# Altium PCB ROBOT_PCB_3.PcbDoc (part 2 of 3)
Units mm, origin at the board's own origin, x right, y up, seen from the top; angles counter-clockwise.
Board outline 200 x 120 mm, 4 copper layers (Top Layer, POWER, GND, Bottom Layer), stack 2.008 mm thick; 282 components, 218 nets, 958 pads, 289 vias.
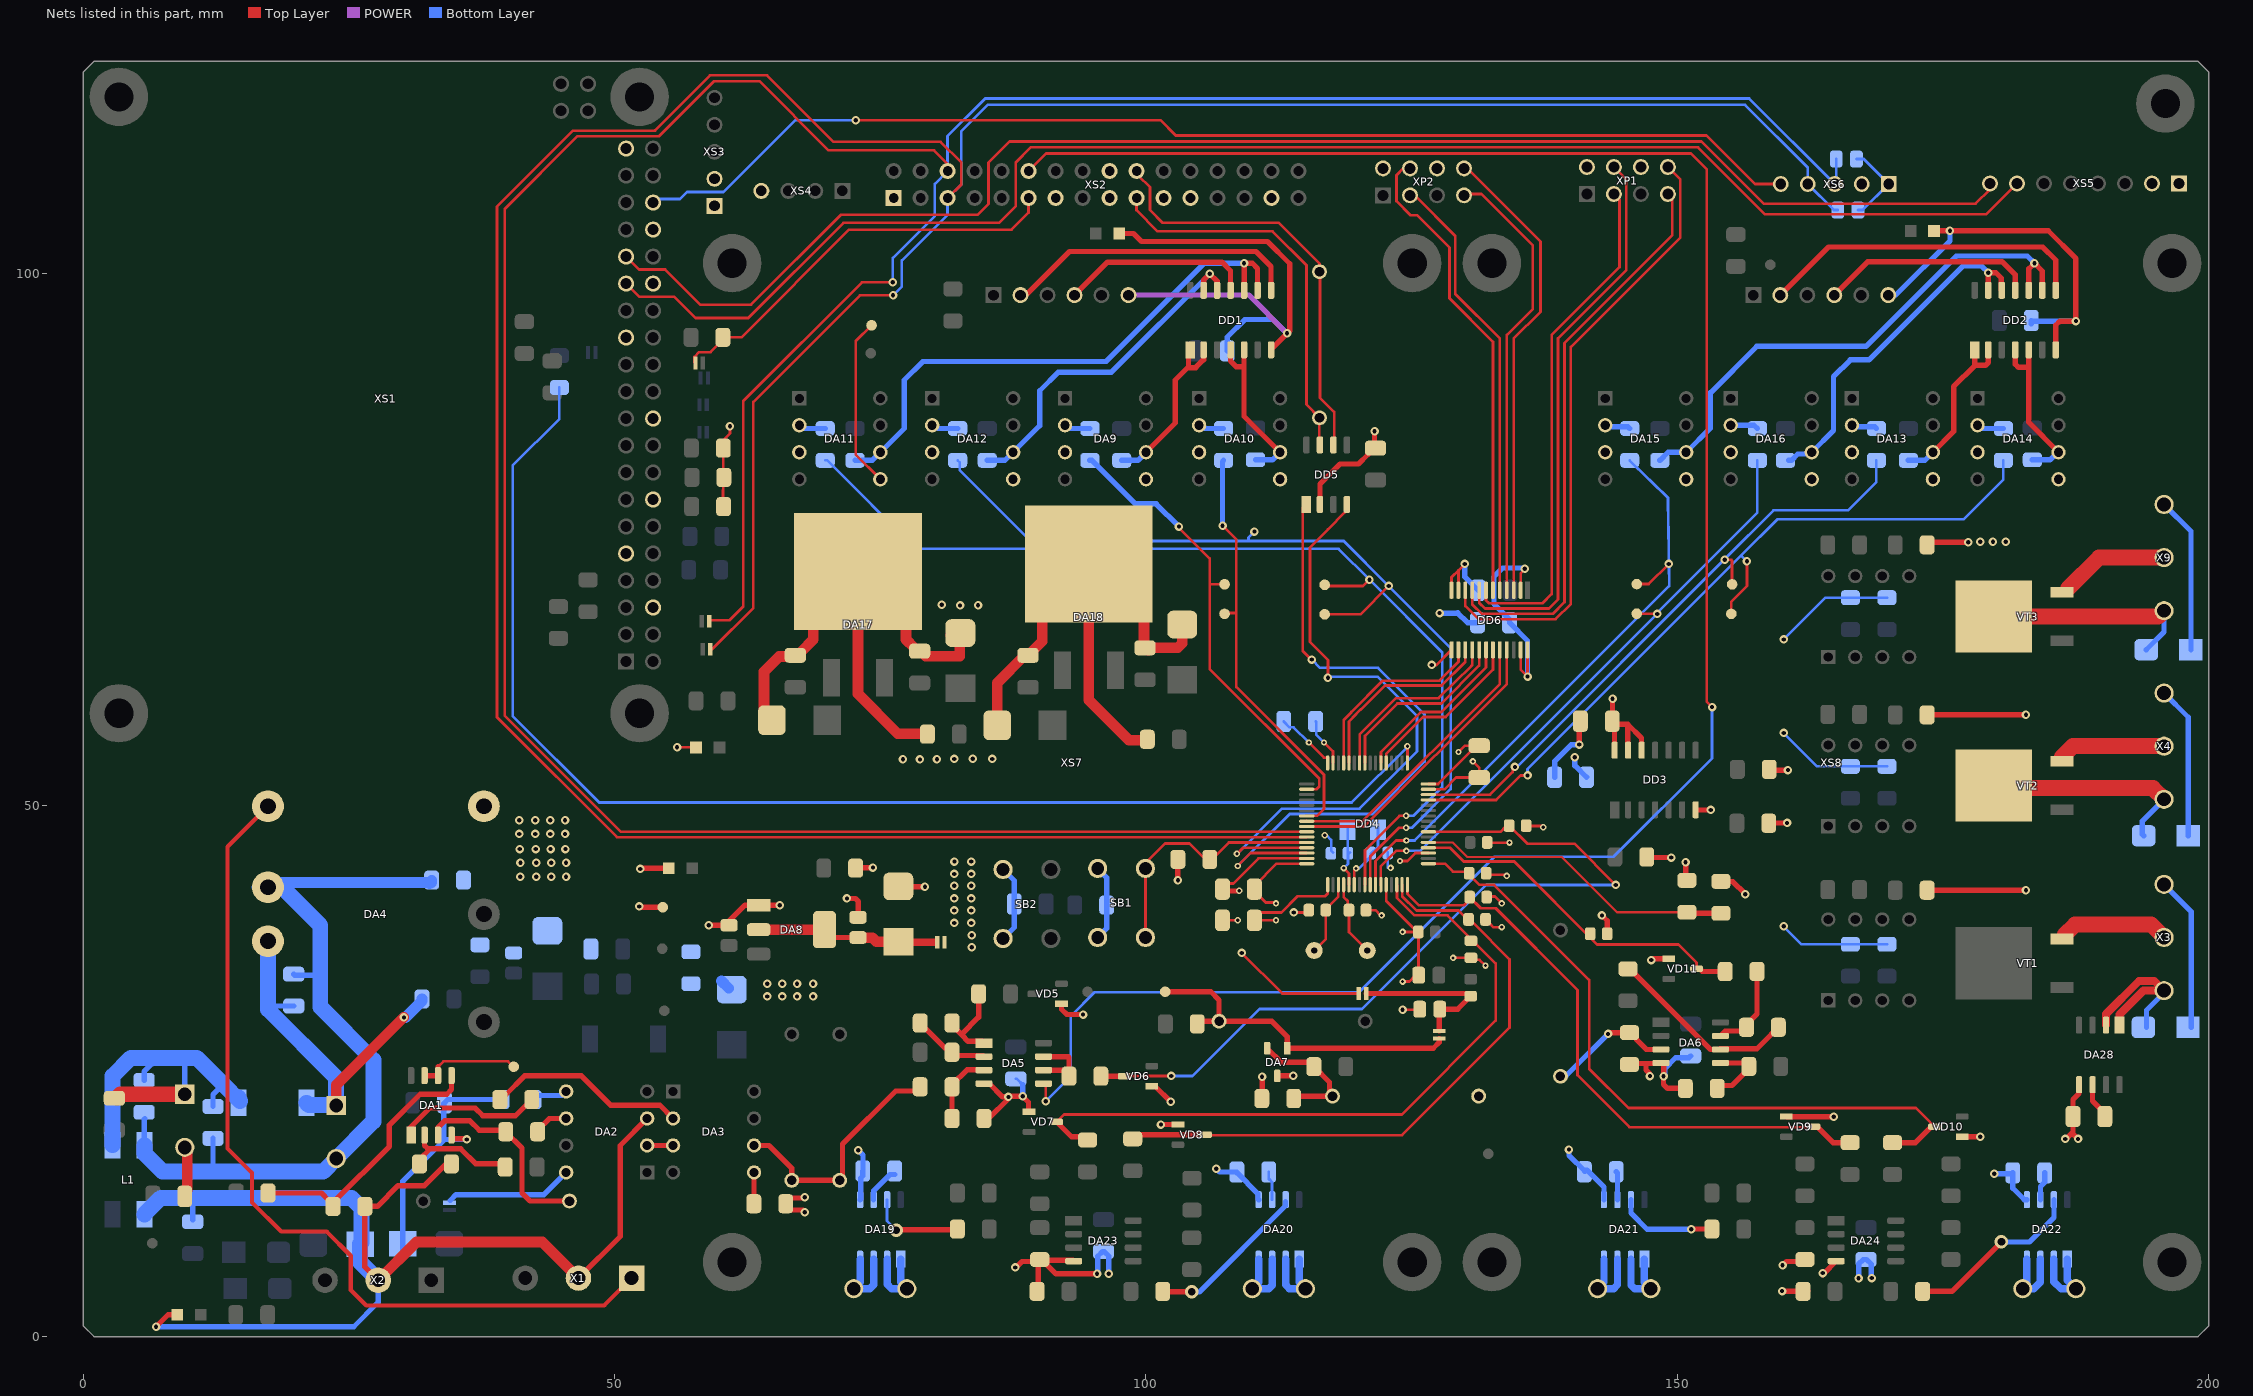
[diagram p4: the nets of this part, all layers, seen from the top]

## Via types
v1: diameter 0.8, hole 0.4, Top Layer to Bottom Layer, tented both sides, 238 vias
v2: diameter 0.6, hole 0.3, Top Layer to Bottom Layer, tented both sides, 47 vias
v3: diameter 1.27, hole 0.711, Top Layer to Bottom Layer, tented both sides, 3 vias
v4: diameter 5.5, hole 2.7, Top Layer to Bottom Layer, 1 vias

## Nets (pads, with @x,y where several pads share a name; then routed paths per layer and width w, separated by ;. In a path a pad name is that pad's centre, name@x,y a point inside that pad or via, vN(x,y) a via of type N, cw(c..) or ccw(c..) an arc to the next point about the centre after c; other vN are vias at no path point)
0V: 0V.1 +5B_EXT_1.c +5B_EXT_2.c C1.2 C6.2 C22.n C23.n C24.2 C25.2 C30.1 C31.1 C32.n C33.n C35.1 C36.1 DA1.4 DA2.3 DA9.5 DA10.5 DA11.5 DA12.5 DA13.5 DA14.5 DA15.5 DA16.5 DA17.2 DA18.2 DD1.7 DD2.7 L1.1 R3.1 R4.2 R11.2 R57.1 R59.1 R100.1 R102.1 R104.1 VBAT.c VD1.2 VD4.2 X1.2 X2.2 XS7.6 XS8.6 | length 381.2
  Top Layer w0.254: 0V.1@74.175,95.15 72.679,93.654 72.679,82.991 DA11.5@75,80.67
  Top Layer w0.5: v1(6.85,0.925) 7.975,2.05 VBAT.c@8.85,2.05 ; X2.2@27.75,5.3 26.5,6.55 R11.2@26.5,12.25 27.675,12.25 29.625,14.2 32.1,14.2 34.15,16.25 R4.2@34.635,16.25 ; DA1.4@34.655,18.95 34.655,18.657 34.705,18.607 36.034,18.607 v1(36.091,18.55) ; X1.2@46.595,5.5 50.525,9.43 50.525,17.985 DA2.3@53.06,20.52 ; +5B_EXT_1.c@97.47,103.8 98.825,103.8 99.575,103.05 111.425,103.05 113.525,100.95 113.525,94.65 v1(113.275,94.4) 113.275,94.375 111.77,92.87 DD1.7@111.77,92.85 ; R100.1@173.5,42 v1(182.8,42) ; R102.1@173.5,58.5 v1(182.8,58.5) ; R104.1@173.5,74.5 173.75,74.75 v1(177.371,74.75) ; +5B_EXT_2.c@174.05,104.05 v1(175.65,104.05) 184.9,104.05 187.5,101.45 v1(187.5,95.55) 186,95.55 185.61,95.16 DD2.7@185.61,92.85
  Top Layer w1: X2.2@27.75,5.3 31.35,8.9 43.195,8.9 X1.2@46.595,5.5 ; C22.n@64.8,58 64.05,58.75 64.05,62.55 65.4,63.9 65.492,63.992 66.892,63.992 C24.2@67,64.1 67.3,64.1 67.5,64.3 67.5,64.4 68.686,65.586 68.686,68.286 72.4,72 DA17.2@72.9,72 ; DA17.2@73.9,71 DA17.2@72.9,72 ; DA17.2@74.15,71.25 77.414,67.986 77.414,65.586 78.2,64.8 78.2,64.7 78.4,64.5 C30.1@78.7,64.5 ; C30.1@78.741,64.541 79.281,64 82.485,64 82.485,65.164 C32.n@81.647,66.002 ; R57.1@79.45,57.025 79.15,56.725 76.65,56.725 72.9,60.475 DA17.2@72.9,72 ; C23.n@86,57.511 86,61.5 88.6,64.1 C25.2@88.9,64.1 88.925,64.1 90.25,65.425 90.25,67.855 94.125,71.73 DA18.2@94.625,71.73 ; R59.1@100.125,56.125 98.4,56.125 94.625,59.9 DA18.2@94.625,71.73 ; C33.n@103,66.6 C33.n@103.4,67 103.4,65.225 102.975,64.8 100.414,64.8 100.214,64.6 99.814,65 99.814,67.7 95.784,71.73 DA18.2@95,71.73 ; DA18.2@94.625,71.73 DA18.2@95,71.73 ; DA18.2@94.625,71.73 DA18.2@94.625,72.7 95,72.325 DA18.2@95,71.73
  POWER w0.5: XS7.6@98.35,98 109.675,98 v1(113.275,94.4)
  Bottom Layer w0.254: XS8.6@169.85,98 XS8.6@170.55,98
  Bottom Layer w0.5: v1(6.85,0.925) 25.45,0.925 27.75,3.225 X2.2@27.75,5.3 30.05,7.6 VD4.2@30.05,8.75 30.05,14.6 33.925,18.475 ; C1.2@10.3,11 10.3,13.05 ; v1(36.091,18.55) 34,18.55 33.925,18.475 ; R3.1@39.425,22.3 34.3,22.3 C6.2@34,22 33.925,21.925 33.925,18.475 ; C35.1@107.65,92.75 107.65,94.05 109.3,95.7 111.975,95.7 v1(113.275,94.4) ; XS8.6@170.55,98 175.65,103.1 v1(175.65,104.05) ; C36.1@183.3,95.3 C36.1@183.3,95.6 183.35,95.55 v1(187.5,95.55)
  Bottom Layer w1.5: L1.1@5.75,11.5 7.3,13.05 10.3,13.05 25.225,13.05 26.2,12.075 26.2,8.85 VD1.2@26.05,8.7 26.05,7 X2.2@27.75,5.3
  other v1: 78.725,54.3 77.125,54.325 80.325,54.325 81.955,54.355 85.525,54.355 83.7,54.375 82.5,68.8 84.2,68.825 80.778,68.85 178.5,74.8 179.693,74.8 180.9,74.8
0V_LOAD1: VT1.3 X3.2 | length 10.2
  Top Layer w1.5: VT1.3@186.462,37.812 187.425,38.775 194.575,38.775 X3.2@195.8,37.55
0V_LOAD2: VT2.3 X4.2 | length 10
  Top Layer w1.5: VT2.3@186.19,54.515 187.225,55.55 X4.2@195.8,55.55
0V_LOAD3: VT3.3 X9.2 | length 10.3
  Top Layer w1.5: VT3.3@186.738,70.363 189.675,73.3 X9.2@195.8,73.3
1V_REF: DA6.3 R52.1 R53.2 | length 11.9
  Top Layer w0.5: v1(143.475,28.475) 143.6,28.6 R53.2@145.5,28.6 145.619,28.6 146.107,28.111 146.107,27.993 147.085,27.015 DA6.3@148.45,27.015
  Bottom Layer w0.5: R52.1@139,24.49 139.49,24.49 v1(143.475,28.475)
3V3: +3.3V.1 C42.2 C43.2 C48.2 C49.2 C52.2 C57.1 C62.2 DD3.12 DD3.13 DD3.14 DD4.1 DD4.19 DD4.32 DD4.48 DD4.64 DD6.2 DD6.23 DD6.24 E10.2 R31.1 R51.2 R54.1 R87.2 R88.2 R89.2 R90.2 R91.2 R92.2 R106.1 R107.1 SB1.2 XS2.17 XS2.23 XS2.29 XS3.1 XS5.1 XS6.1 | length 137.2
  Top Layer w0.254: v1(109,36.1) 112.825,32.275 E10.2@120.025,32.275 ; v2(112.23,39.171) C48.2@110.2,39.171 110.2,39.35 110.756,39.906 112.745,39.906 114.272,41.433 116.854,41.433 117.1,41.679 DD4.1@117.1,42.52 ; v2(112.23,40.756) 112.135,40.851 111.27,40.851 110.2,41.921 C52.2@110.2,42.1 110.2,42.4 112.295,44.495 DD4.64@115.1,44.495 ; v2(115.325,55.9) 116.75,54.475 117.087,54.475 117.1,54.462 DD4.48@117.1,53.995 ; v2(123.9,44.75) 124.604,44.75 125.349,45.495 DD4.19@126.575,45.495 DD4.19@126.6,45.495 ; DD4.32@126.6,51.995 127.495,51.995 C57.1@131.1,55.6 ; v2(129.4,55) 129.417,55 130.017,55.6 C57.1@131.1,55.6 ; C57.1@131.35,55.6 C57.1@131.1,55.6 ; DD6.23@135.25,64.625 135.25,62.75 v1(135.9,62.1) DD6.24@135.9,64.625 ; DD6.2@135.25,70.225 135.25,71.8 135.632,72.182 v1(135.632,72.254) ; C42.2@143.85,57.025 C42.2@143.85,57.425
  Top Layer w0.5: R31.1@72.675,44.075 72.725,44.125 v1(74.3,44.125) ; v1(143.9,60.025) 143.9,58.125 144.41,57.615 145.335,57.615 ; DD3.14@144.09,55.17 C42.2@144.09,57.685 ; DD3.13@145.335,55.55 145.335,57.615 ; DD3.12@146.63,55.17 146.63,56.32 145.335,57.615 ; R51.2@154.1,42.827 155.198,42.827 v1(156.4,41.625)
  Bottom Layer w0.254: C43.2@112.964,57.874 113.508,57.329 113.896,57.329 v2(115.325,55.9) ; v1(160,38.6) 161.69,36.91 R90.2@166.28,36.91 R88.2@169.72,36.91 ; v1(160,56.8) 163.15,53.65 R91.2@166.28,53.65 R89.2@169.72,53.65 ; v1(160,65.6) 163.93,69.53 R92.2@166.28,69.53 R87.2@169.72,69.53 ; R106.1@166.85,110.8 167.54,110.8 XS6.1@169.89,108.45 167.44,106 R107.1@167,106
  Bottom Layer w0.5: SB1.2@95.45,37.55 96.3,38.4 R54.1@96.3,40.6 96.3,43.2 SB1.2@95.45,44.05 ; v1(135.632,72.254) 135.574,72.311 134.493,72.311 134.479,72.325 133.55,72.325 132.75,71.525 132.75,68.925 134.2,67.475 C62.2@134.2,67.175 135.9,65.475 v1(135.9,62.1) ; v1(140.35,54.5) 140.35,53.725 C49.2@141.45,52.625 C49.2@141.475,52.65
  other v1: 83.6,36.625 83.6,37.75 81.95,38.925 83.55,38.925 81.95,40.1 83.55,40.1 81.95,41.225 83.55,41.225 81.95,42.425 83.55,42.425 81.95,43.525 83.55,43.525 81.975,44.7 83.55,44.7
+V_DIODE1: VD14.C X3.3 | length 14.5
  Bottom Layer w0.5: X3.3@195.8,42.55 198.35,40 VD14.C@198.35,29.075
+V_DIODE2: VD12.C X4.3 | length 14.4
  Bottom Layer w0.5: X4.3@195.8,60.55 198.075,58.275 VD12.C@198.075,47.125
+V_DIODE3: VD13.C X9.3 | length 14.7
  Bottom Layer w0.5: X9.3@195.8,78.3 198.325,75.775 VD13.C@198.325,64.625
ADC_EXT_SIGNAL: C41.1 DD4.23 R56.2 VD6.3 | length 75.7
  Top Layer w0.254: VD6.3@97.95,24.5 97.975,24.525 v1(102.375,24.525) ; DD4.23@126.6,47.495 133.37,47.495 C41.1@133.85,47.975 ; C41.1@134.175,48.075 135.875,46.375 140.319,46.375 v1(144.199,42.495)
  Top Layer w0.5: R56.2@95.75,24.5 VD6.3@97.95,24.5
  Bottom Layer w0.254: v1(102.375,24.525) 104.375,24.525 110.675,30.825 120.323,30.825 131.993,42.495 v1(144.199,42.495)
ADC_TEST: DD4.21 R50.1 R51.1 | length 30.3
  Top Layer w0.2: DD4.21@126.6,46.495 128.873,46.495 130.241,45.127 139.123,45.127 144.323,39.927 R50.1@150.9,39.927
  Top Layer w0.5: R50.1@150.9,39.927 151,39.827 R51.1@154.1,39.827
AGND: C16.1 C17.n C18.1 C20.2 C21.2 C27.2 C29.2 C37.1 C38.1 C39.1 C40.1 C41.2 C44.1 C45.1 C53.2 C54.2 C55.2 C56.2 C58.2 C61.1 DA5.4 DA6.4 DA7.3 DA19.5 DA20.5 DA21.5 DA22.5 DA23.4 DA24.4 DA28.5 DD4.12 R15.2 R20.1 R21.2 R25.1 R27.1 R53.1 R67.2 R69.2 R70.2 R71.2 R94.2 VD5.1 VD6.1 VD7.1 VD8.1 VD9.1 VD10.1 VD11.1 | length 136.4
  Top Layer w0.254: DD4.12@122.6,42.495 122.6,41.007 C29.2@125.469,38.138 ; v1(124.145,30.75) 125.7,30.75 C21.2@125.75,30.8 ; v2(124.145,38.075) C29.2@125.625,38.075 125.64,38.06 125.64,34.015 C27.2@125.655,34 125.375,34 124.775,33.4 v2(124.15,33.4) ; v2(128.9,35.633) C53.2@130.575,35.633 130.756,35.452 131.398,35.452 v2(131.95,34.9) ; C54.2@131.95,39.25 131.95,39.217 132.314,38.853 132.347,38.853 132.673,38.527 v2(133.481,38.527) ; C56.2@132,43.6 132.149,43.451 133.838,43.451 v2(133.942,43.346) ; C55.2@132.05,41.35 132.102,41.402 132.835,41.402 v2(133.481,40.756) ; C20.2@132.1,46.495 132.12,46.475 v2(134.2,46.475) ; C41.2@135.478,47.778 C41.2@135.775,48.075 135.815,48.035 137.265,48.035 v2(137.375,47.925)
  Top Layer w0.5: v1(67.9,11.705) 67.693,11.912 66.542,11.912 66.1,12.354 R15.2@66.1,12.5 66.1,12.6 66.542,13.043 67.843,13.043 v1(67.9,13.1) ; R20.1@84.75,20.72 R20.1@84.75,20.52 85.195,20.52 87.05,22.375 v1(87.05,22.55) ; DA5.4@84.75,23.8 85.25,23.8 86.5,22.55 v1(87.05,22.55) ; v1(87.7,6.5) 87.781,6.5 88.35,7.069 89.819,7.069 R69.2@89.875,7.125 ; VD7.1@89,21.15 88.95,21.2 88.95,22.05 v1(88.4,22.6) 87.1,22.6 v1(87.05,22.55) ; R70.2@89.75,4.25 89.875,4.375 R69.2@89.875,7.125 ; VD5.1@92.05,31.3 92.05,30.8 92.55,30.3 v1(94.075,30.3) ; DA23.4@93.2,7.095 93.123,7.172 R69.2@90.278,7.172 ; v1(95.4,5.9) 91.55,5.9 R69.2@90.278,7.172 ; VD6.1@100.55,23.55 100.85,23.55 102.3,22.1 v1(102.322,22.1) ; v1(101.4,19.95) VD8.1@103,19.95 ; R27.1@110.9,22.4 110.925,22.425 v1(110.925,24.45) ; DA7.3@112.35,24.531 v1(113.85,24.531) ; v1(142.9,39.629) 143.4,39.129 C58.2@143.4,37.9 ; R53.1@145.5,25.6 145.595,25.695 147.05,25.695 ; v1(147.425,24.508) 147.425,24.706 147.05,25.081 147.05,25.695 ; v1(147.55,35.425) 147.675,35.55 VD11.1@149.2,35.55 ; R94.2@150.75,23.35 149.068,23.35 148.7,23.718 v1(148.7,24.49) 148.718,24.508 148.718,25.695 147.05,25.695 ; v1(159.85,4.275) 161.785,4.275 R67.2@161.83,4.32 ; v1(159.9,6.7) 160.269,7.069 161.819,7.069 R71.2@162,7.25 R71.2@162.2,7.25 ; VD9.1@160.25,20.7 160.275,20.675 v1(164.725,20.675) ; R67.2@161.83,4.25 R67.2@161.83,4.32 ; R67.2@162.27,4.32 R67.2@161.83,4.32 ; v1@163.68,5.825 v1(163.68,5.975) 163.83,5.975 DA24.4@164.95,7.095 DA24.4@164.955,7.1 ; VD10.1@176.8,18.8 v1(178.5,18.8) ; v1(186.5,18.6) 186.581,18.6 187.056,19.075 187.225,19.075 ; v1(187.7,18.6) 187.225,19.075 ; DA28.5@187.795,23.9 DA28.5@187.795,23.7 187.795,22.87 187.225,22.3 187.225,21.462 187.606,21.081 187.225,21.081 C61.1@187.225,20.7 187.225,19.075 ; R69.2@89.875,7.125 R69.2@90,7.25 90.2,7.25 R69.2@90.278,7.172
  Bottom Layer w0.254: C18.1@87.75,24.25 87.844,24.25 C18.1@88.4,23.694
  Bottom Layer w0.5: v1(72.925,17.525) 73.375,17.075 73.375,15.6 C37.1@73.35,15.575 73.35,15.1 73.145,14.895 73.145,12.925 DA19.5@73.095,12.875 ; v1(88.4,22.6) C18.1@88.4,23.694 ; v1(95.4,5.9) 95.457,5.957 95.457,7.558 95.9,8 C44.1@96,8 96.058,8 96.5,7.558 v1(96.5,5.9) ; v1(106.6,15.8) 106.925,15.475 C38.1@108.55,15.475 108.55,15.42 110.545,13.425 110.545,12.925 DA20.5@110.595,12.875 ; v1(139.8,17.6) 139.8,17.05 141.3,15.55 141.425,15.675 C39.1@141.175,15.675 ; C39.1@141.5,15.675 143.095,14.08 DA21.5@143.095,12.875 ; v1(148.7,24.49) 148.832,24.622 148.832,25.232 149.847,26.247 151.097,26.247 C16.1@151.25,26.4 ; v1@167.057,5.475 167.057,6.557 167.062,6.562 167.062,6.808 167.504,7.25 C45.1@167.75,7.25 167.8,7.25 168.243,6.808 168.243,5.557 v1(168.3,5.5) ; v1(179.825,15.325) 181.484,15.325 C40.1@181.56,15.401 181.56,13.965 182.65,12.875 DA22.5@182.895,12.875
  Bottom Layer w1: C17.n@60.061,33.457 C17.n@60.75,32.768
  other v1: 167.05,5.475 64.368,32.003 65.768,32.003 67.168,32.003 68.668,32.003 64.368,33.203 65.768,33.203 67.168,33.203 68.668,33.203
BOOT: DD4.60 R55.2 SB1.1 | length 23.6
  Top Layer w0.254: SB1.1@99.95,37.55 SB1.1@99.95,44.05 99.95,44.55 101.8,46.4 104.1,46.4 105.6,44.9 R55.2@106,44.9 ; R55.2@106.475,45.175 107.795,46.495 DD4.60@115.1,46.495
CAN_H: DD5.7 R105.2 XS2.19 | length 36.6
  Top Layer w0.254: XS2.19@99.11,107.135 99.11,105.99 101.1,104 111.9,104 115.095,100.805 115.095,87.705 116.3,86.5 DD5.7@116.3,84
CAN_L: DD5.6 R105.1 XS2.20 | length 39.8
  Top Layer w0.254: XS2.20@99.11,109.675 99.301,109.484 99.301,109.224 100.375,108.15 100.375,106 101.575,104.8 112.5,104.8 116.325,100.975 R105.1@116.325,100.2 116.365,100.16 116.365,88.335 117.7,87 DD5.6@117.7,84
CAN_RX: DD4.61 DD5.4 | length 59.4
  Top Layer w0.254: v2(108.55,45.425) 109.12,45.995 DD4.61@115.1,45.995 ; v1(117.125,62.001) 117.125,63.65 115.425,65.35 115.425,74.253 117.125,75.953 118.746,77.574 118.746,78.141 DD5.4@118.905,78.3
  Bottom Layer w0.254: v2(108.55,45.425) 112.8,49.675 120.103,49.675 125.5,55.072 125.5,58.375 121.78,62.095 117.219,62.095 v1(117.125,62.001)
CAN_TX: DD4.62 DD5.1 | length 61
  Top Layer w0.254: v2(108.625,44.275) 109.845,45.495 DD4.62@115.1,45.495 ; DD5.1@115.095,78.3 114.75,77.955 114.75,64.5 115.55,63.7 v1(115.6,63.7)
  Bottom Layer w0.254: v2(108.625,44.275) 113.525,49.175 121.298,49.175 126.225,54.102 126.225,58.529 121.827,62.927 116.373,62.927 v1(115.6,63.7)
CS1: DD4.33 R8.1 | length 124.1
  Top Layer w0.254: DD4.33@124.6,53.995 v2(124.6,55.55)
  Bottom Layer w0.254: R8.1@44.8,89.3 44.8,86.35 40.4,81.95 40.4,58.4 48.554,50.246 119.353,50.246 124.6,55.493 v2(124.6,55.55)
CS2: E8.2 R9.1 XS2.11 | length 39.1
  Top Layer w0.254: E8.2@57.6,91.6 57.5,91.7 57.5,92.175 57.955,92.63 59.03,92.63 60.425,94.025 61.925,94.025 72.052,104.152 87.352,104.152 88.95,105.75 XS2.11@88.95,107.135
CTRL: DA4.1 X1.1 | length 82.5
  Top Layer w0.4: DA4.1@17.38,49.9 13.575,46.095 13.575,17.705 15.875,15.405 15.875,12.625 18.625,9.875 22.9,9.875 25.175,7.6 25.175,4.375 26.633,2.917 49.012,2.917 X1.1@51.595,5.5
CURRENT_M1: C53.1 DD4.14 R76.2 VD7.3 | length 67.4
  Top Layer w0.254: VD7.3@91.6,20.2 92.3,20.9 124.075,20.9 132.9,29.725 132.9,35.1 130.767,37.233 128.371,39.629 125.262,39.629 123.613,41.278 123.613,42.482 DD4.14@123.6,42.495
  Top Layer w0.5: VD7.3@91.6,20.2 93,18.8 R76.2@94.325,18.8 ; R76.2@94.5,18.625 R76.2@94.325,18.8 ; R76.2@94.5,18.8 R76.2@94.325,18.8
CURRENT_M2: C54.1 DD4.15 R77.2 VD8.3 | length 60.3
  Top Layer w0.254: VD8.3@105.625,18.8 105.775,18.95 124.088,18.95 134.2,29.062 134.2,35.5 130.75,38.95 C54.1@130.475,38.95 ; DD4.15@124.1,42.495 124.1,41.433 125.45,40.083 129.417,40.083 130.45,39.05 C54.1@130.45,38.775
  Top Layer w0.5: R77.2@98.75,18.6 98.75,19 VD8.3@105.6,19
CURRENT_M3: C55.1 DD4.16 R78.2 VD9.3 | length 57.7
  Top Layer w0.254: DD4.16@124.6,42.495 124.6,41.66 125.685,40.575 129.9,40.575 130.45,41.125 C55.1@130.45,41.35 131.5,40.3 132.909,40.3 140.6,32.609 140.6,24.6 145.5,19.7 VD9.3@162.85,19.7
  Top Layer w0.5: VD9.3@162.85,19.75 163.15,19.75 164.65,18.25 R78.2@166.25,18.25
CURRENT_M4: C56.1 DD4.17 R79.2 VD10.3 | length 67.5
  Top Layer w0.254: DD4.17@126.6,44.495 128.141,44.495 128.886,43.75 130.45,43.75 130.45,43.45 131.4,42.5 132.765,42.5 141.7,33.565 141.7,25.2 145.4,21.5 172.45,21.5 VD10.3@174.2,19.75
  Top Layer w0.5: R79.2@170.25,18.25 172.4,18.25 173.9,19.75 VD10.3@174.2,19.75
CURRENT_MOWER: C58.1 DD4.20 R86.2 VD11.3 | length 33.1
  Top Layer w0.254: DD4.20@126.6,45.995 128.605,45.995 129.9,44.7 134.65,44.7 142.45,36.9 150.1,36.9 151.8,35.2 VD11.3@151.8,34.6
  Top Layer w0.5: VD11.3@151.8,34.6 152.1,34.6 152.35,34.35 R86.2@154.5,34.35
DIR1: DD1.8 XS7.2 | length 28.1
  Top Layer w0.5: XS7.2@88.19,98 88.7,98 92.8,102.1 110.35,102.1 111.77,100.68 DD1.8@111.77,98.45
DIR2: DD1.11 XS7.4 | length 18.1
  Top Layer w0.5: XS7.4@93.27,98 96.37,101.1 107.15,101.1 107.96,100.29 DD1.11@107.96,98.45
DIR3: DD2.8 XS8.2 | length 31.1
  Top Layer w0.5: XS8.2@159.69,98 164.215,102.525 184.375,102.525 185.61,101.29 DD2.8@185.61,98.45
DIR4: DD2.11 XS8.4 | length 20.3
  Top Layer w0.5: XS8.4@164.77,98 167.92,101.15 180.55,101.15 181.8,99.9 DD2.11@181.8,98.45
DRDY: XS1.36 XS6.5 | length 111.8
  Top Layer w0.254: v1(72.679,114.456) 101.369,114.456 102.8,113.025 152.75,113.025 157.325,108.45 XS6.5@159.73,108.45
  Bottom Layer w0.254: XS1.36@53.62,106.7 53.97,107.05 56.15,107.05 56.8,107.7 60.25,107.7 67.006,114.456 v1(72.679,114.456)
EXT_TO_ADC: DA5.5 XS2.12 | length 201.9
  Top Layer w0.254: XS2.12@88.95,109.675 90.6,111.325 151.275,111.325 152.775,109.825 152.775,59.725 v1(153.263,59.237) v1@153.275,59.225 ; DA5.5@90.35,23.8 90.575,23.575 v1(90.575,22.15)
  Bottom Layer w0.254: v1(90.575,22.15) 92.925,24.5 92.925,30.178 95.147,32.4 120.05,32.4 132.8,45.15 144,45.15 153.263,54.412 v1(153.263,59.237)
GND: +3.3V.c +5V.c C11.2 C12.2 C14.1 C15.n C19.2 C26.n C28.2 C34.1 C42.1 C43.1 C46.2 C47.2 C48.1 C49.1 C50.2 C51.2 C52.1 C57.2 C59.2 C60.2 C62.1 DA4.6 DA8.1 DA9.3 DA10.3 DA11.3 DA12.3 DA13.3 DA14.3 DA15.3 DA16.3 DD3.7 DD4.31 DD4.47 DD4.63 DD5.2 DD6.11 DD6.12 DD6.13 GND.1 R21.1 R50.2 R55.1 R68.1 R80.2 R81.2 R82.2 R83.2 R84.2 R85.2 SB2.1 XP1.2 XP1.6 XP2.2 XP2.6 XS1.6 XS1.9 XS1.14 XS1.20 XS1.25 XS1.30 XS1.34 XS1.39 XS2.1 XS2.13 XS2.18 XS2.21 XS3.2 XS4.4 XS5.2 XS6.2 | length 108.8
  Top Layer w0.254: v1(55.875,55.45) 57.499,55.45 +5V.c@57.596,55.353 ; R82.2@60.2,78.575 60.211,80.85 R81.2@60.225,83.6 60.2,83.175 59.8,83.575 60.45,84.225 60.278,84.397 60.85,84.969 v1(60.85,85.65) ; C48.1@107.2,39.171 v2(108.625,39.171) ; C52.1@107.2,42.1 107.737,42.637 108.237,42.637 110.595,44.995 DD4.63@115.1,44.995 ; v1(113.9,39.906) 115.104,39.906 C46.2@115.325,40.127 ; v2(116.754,55.9) 117.587,55.067 117.587,54.008 DD4.47@117.6,53.995 ; C47.2@120.7,40.127 121.581,40.127 122.079,39.629 v2(122.173,39.629) ; DD4.31@126.6,51.495 128.07,51.495 129.175,52.6 C57.2@131.35,52.6 131.35,53.531 v2(130.756,54.125) ; v1(126.9,63.2) 127.325,63.2 DD6.13@128.75,64.625 ; DD6.12@128.75,70.225 128.75,71.45 129.4,72.1 ; DD6.11@129.4,70.225 129.4,72.1 ; v1(130,72.7) 129.4,72.1
  Top Layer w0.5: v1(52.325,40.475) 52.406,40.394 GND.1@54.525,40.394 ; v1(52.4,44) 52.452,44.052 +3.3V.c@55.1,44.052 ; +5V.c@57.596,55.353 +5V.c@57.663,55.42 ; v1(58.863,38.7) C19.2@60.764,38.7 ; C19.2@60.4,38.727 62.265,40.592 DA8.1@63.55,40.592 63.558,40.583 65.517,40.583 v1(65.525,40.575) ; v1(71.858,41.225) 72.65,41.225 72.938,40.938 72.938,39.48 C28.2@72.9,39.442 ; C26.n@76.7,42.356 76.731,42.325 v1(79.2,42.325) ; v1(103,42.925) R55.1@103,44.9 ; C52.1@107.2,42.1 107.368,41.932 108.761,41.932 v2(108.78,41.952) ; DD5.2@116.365,78.3 116.365,80.213 118.252,82.1 119.993,82.1 120.912,83.019 120.912,83.158 121.354,83.6 C59.2@121.6,83.6 121.509,83.691 v1(121.509,85.175) ; v1(140.775,55.7) 140.775,57.8 C42.1@140.875,57.9 ; R84.2@147.119,45.127 147.171,45.075 v1(149.425,45.075) ; v1(150.775,44.625) 150.775,43.052 R50.2@150.9,42.927 ; DD3.7@151.71,49.57 151.73,49.55 v1(153.15,49.55) ; R80.2@158.6,48.3 158.625,48.325 v1(160.325,48.325) ; R83.2@158.65,53.375 158.725,53.3 v1(160.4,53.3)
  Bottom Layer w0.254: C43.1@115.964,57.874 116.012,57.825 116.012,56.642 v2(116.754,55.9) ; v2(116.825,47.175) 116.973,47.175 117.416,46.732 117.42,46.732 117.42,45.73 C50.2@117.6,45.55 ; C51.2@122.75,45.575 C51.2@122.75,45.5 122.75,44.1 v2(123.018,44.1)
  Bottom Layer w0.5: SB2.1@86.55,37.45 87.6,38.5 C34.1@87.6,40.7 87.6,42.9 SB2.1@86.55,43.95 ; v1(127.625,68.075) 129.3,68.075 129.325,68.1 130.25,67.175 C62.1@131.2,67.175 ; v1(130,72.7) 130,71.475 C60.2@131.25,70.225 ; C49.1@138.45,52.625 138.45,54.125 140.025,55.7 v1(140.775,55.7)
  other v1: 41.125,43.275 42.625,43.275 44.025,43.275 45.425,43.275 41.133,44.575 42.633,44.575 44.033,44.575 45.433,44.575 41.068,45.875 42.568,45.875 43.968,45.875 45.368,45.875 41.033,47.297 42.533,47.297 43.933,47.297 45.333,47.297 41.033,48.586 42.533,48.586 43.933,48.586 45.333,48.586
HALL_A1: DD4.41 DD6.17 | length 17.5
  Top Layer w0.254: DD4.41@120.6,53.995 120.6,56.522 123.646,59.568 127.785,59.568 131.352,63.135 DD6.17@131.352,64.577
HALL_A2: DD4.44 DD6.15 | length 18.3
  Top Layer w0.254: DD4.44@119.1,53.995 119.1,57.883 119.773,58.556 119.773,58.576 120.199,59.002 120.219,59.002 122.484,61.267 127.819,61.267 130.05,63.498 DD6.15@130.05,64.625
HALL_A3: DD4.37 DD6.19 | length 16
  Top Layer w0.254: DD4.37@122.6,53.995 122.613,54.008 122.613,54.846 126.067,58.3 128.2,58.3 132.65,62.75 DD6.19@132.65,64.625
HALL_A4: DD4.56 DD6.20 | length 26.8
  Top Layer w0.254: DD4.56@115.087,48.508 115.1,48.495 120.375,48.495 133.3,61.42 DD6.20@133.3,64.625
HALL_A_M1: DD6.7 XP1.3 | length 48.1
  Top Layer w0.254: DD6.7@132,70.225 132,69.275 132.275,69 137.3,69 138.175,69.875 138.175,94.25 144.55,100.625 144.55,106.985 XP1.3@144.025,107.51
HALL_A_M2: DD6.9 XP1.7 | length 53.6
  Top Layer w0.254: DD6.9@130.7,70.225 130.7,68.9 131.6,68 138.275,68 139.375,69.1 139.375,93.5 149.525,103.65 149.525,107.09 XP1.7@149.105,107.51
HALL_A_M3: DD6.5 XP2.3 | length 41
  Top Layer w0.254: XP2.3@124.75,107.4 125.28,107.4 129.1,103.58 129.1,98.1 133.3,93.9 DD6.5@133.3,70.225
HALL_A_M4: DD6.4 XP2.7 | length 42.1
  Top Layer w0.254: XP2.7@129.75,107.51 131.565,107.51 136.4,102.675 136.4,96.7 133.95,94.25 DD6.4@133.95,70.225
HALL_B1: DD4.42 DD6.16 | length 17.3
  Top Layer w0.254: DD4.42@120.1,53.995 120.1,56.664 123.511,60.075 127.539,60.075 130.627,63.116 ; 130.628,63.116 130.702,63.191 DD6.16@130.702,64.577
HALL_B2: DD4.45 DD6.14 | length 18.2
  Top Layer w0.254: DD4.45@118.6,53.995 118.613,54.008 118.613,58.038 119.319,58.744 119.319,58.764 122.276,61.721 127.623,61.721 129.4,63.498 DD6.14@129.4,64.625
HALL_B3: DD4.38 DD6.18 | length 15.9
  Top Layer w0.254: DD4.38@122.1,53.995 122.113,54.008 122.113,54.988 125.889,58.764 127.814,58.764 132,62.95 DD6.18@132,64.625
HALL_B4: DD4.57 DD6.21 | length 27.6
  Top Layer w0.254: DD4.57@115.1,47.995 DD4.57@115.125,47.995 120.531,47.995 133.95,61.414 DD6.21@133.95,64.625
HALL_B_M1: DD6.8 XP1.4 | length 53
  Top Layer w0.254: DD6.8@131.35,70.225 131.35,69.05 131.9,68.5 137.925,68.5 138.775,69.35 138.775,93.925 145.2,100.35 145.2,108.875 XP1.4@144.025,110.05
HALL_B_M2: DD6.10 XP1.8 | length 58.4
  Top Layer w0.254: DD6.10@130.05,70.225 130.05,68.75 131.3,67.5 138.55,67.5 139.975,68.925 139.975,93.125 150.275,103.425 150.275,108.88 XP1.8@149.105,110.05
HALL_B_M3: DD6.6 XP2.4 | length 44.6
  Top Layer w0.254: XP2.4@124.75,109.94 124.24,109.94 123.575,109.275 123.575,106.835 124.91,105.5 125.535,105.5 128.55,102.485 128.55,97.7 132.65,93.6 DD6.6@132.65,70.225
HALL_B_M4: DD6.3 XP2.8 | length 44.1
  Top Layer w0.254: XP2.8@129.75,110.05 130.11,110.05 137.125,103.035 137.125,96.425 134.6,93.9 DD6.3@134.6,70.225
I2C_SCL: DD4.58 E4.2 R106.2 XS2.6 XS6.3 | length 326.5
  Top Layer w0.254: 59.125,67.4 60.825,67.4 62.1,68.675 62.1,88.015 73.285,99.2 v1(76.175,99.2) ; XS2.6@81.33,109.675 81.33,110.345 80.05,111.625 70.125,111.625 63.625,118.125 59.375,118.125 54.2,112.95 46.525,112.95 39.65,106.075 39.65,58.445 50.6,47.495 DD4.58@115.1,47.495
  Bottom Layer w0.254: v1@76,99.2 v1(76.175,99.2) 76.175,101.5 80.125,105.45 80.125,108.47 XS2.6@81.33,109.675 81.33,112.955 84.875,116.5 156.76,116.5 XS6.3@164.81,108.45 164.95,108.59 R106.2@164.95,110.8
I2C_SDA: DD4.59 E3.2 R107.2 XS2.5 XS6.4 | length 333.9
  Top Layer w0.254: E3.2@59.175,64.675 63.05,68.55 63.05,87.95 73.075,97.975 v1(76.2,97.975) ; XS2.5@81.33,107.135 82.625,108.43 82.625,110.475 80.675,112.425 70.6,112.425 64.35,118.675 58.975,118.675 53.8,113.5 53.8,113.475 46.075,113.475 38.925,106.325 38.925,58.275 50.205,46.995 DD4.59@115.1,46.995
  Bottom Layer w0.254: v1@76.25,97.925 v1(76.2,97.975) 77.025,98.8 77.025,101.25 81.33,105.555 XS2.5@81.33,107.135 82.625,108.43 82.625,113.425 85.1,115.9 156.375,115.9 162.27,110.005 XS6.4@162.27,108.45 164.72,106 R107.2@165.1,106
INT1: XS1.29 XS5.7 | length 145.1
  Top Layer w0.254: XS1.29@51.08,99.08 52.31,97.85 55.6,97.85 57.6,95.85 62.57,95.85 71.52,104.8 86.15,104.8 87.75,106.4 87.75,110.5 89.15,111.9 151.95,111.9 158.25,105.6 179.06,105.6 XS5.7@181.96,108.5
INT2: XS1.31 XS5.8 | length 142.4
  Top Layer w0.254: XS1.31@51.08,101.62 52.3,100.4 54.75,100.4 58.05,97.1 62.825,97.1 71.275,105.55 84.15,105.55 85.175,106.575 85.175,110.475 87.15,112.45 152.275,112.45 158.125,106.6 178.075,106.6 179.42,107.945 XS5.8@179.42,108.5
M1_N: DA19.3 DA19.4 X5.1 | length 7.4
  Bottom Layer w0.7: DA19.4@73.095,7.275 73.095,5.095 X5.1@72.5,4.5 74,4.5 74.365,4.865 DA19.3@74.365,7.275
M1_P: DA19.1 DA19.2 X5.2 | length 7.4
  Bottom Layer w0.7: DA19.2@75.635,7.275 75.635,4.915 76.05,4.5 X5.2@77.5,4.5 76.905,5.095 DA19.1@76.905,7.275
M2_N: DA20.3 DA20.4 X6.1 | length 7.5
  Bottom Layer w0.7: DA20.4@110.595,7.275 110.595,5.095 X6.1@110,4.5 111.55,4.5 111.865,4.815 DA20.3@111.865,7.275
M2_P: DA20.1 DA20.2 X6.2 | length 7.4
  Bottom Layer w0.7: DA20.2@113.135,7.275 113.135,4.865 113.5,4.5 X6.2@115,4.5 114.405,5.095 DA20.1@114.405,7.275
M3_N: DA21.3 DA21.4 X7.1 | length 7.4
  Bottom Layer w0.7: DA21.4@143.095,7.275 143.095,5.095 X7.1@142.5,4.5 144,4.5 144.365,4.865 DA21.3@144.365,7.275
M3_P: DA21.1 DA21.2 X7.2 | length 7.5
  Bottom Layer w0.7: DA21.2@145.635,7.275 145.635,4.84 145.975,4.5 X7.2@147.5,4.5 146.905,5.095 DA21.1@146.905,7.275
M4_N: DA22.3 DA22.4 X8.1 | length 7
  Bottom Layer w0.7: DA22.4@182.895,7.275 182.895,4.895 X8.1@182.5,4.5 183.55,4.5 184.165,5.115 DA22.3@184.165,7.275
M4_P: DA22.1 DA22.2 X8.2 | length 7.6
  Bottom Layer w0.7: DA22.2@185.435,7.275 185.435,5.165 186.1,4.5 X8.2@187.5,4.5 186.705,5.295 DA22.1@186.705,7.275
MCU_DIR1: DD4.8 DIR1.1 R36.1 | length 95.7
  Top Layer w0.254: DIR1.1@116.81,70.625 120.427,70.625 v1(121.023,71.221) ; DD4.8@120.6,42.495 120.6,45.75 123.85,49 v2(124.475,49)
  Bottom Layer w0.254: R36.1@69.815,82.445 70.015,82.445 78.335,74.125 118.119,74.125 v1(121.023,71.221) 127.875,64.369 127.875,51.725 125.15,49 v2(124.475,49)
MCU_DIR2: DD4.9 DIR2.1 R37.2 | length 88.5
  Top Layer w0.254: DIR2.1@116.81,67.955 120.164,67.955 v1(122.834,70.625) ; DD4.9@121.1,42.495 DD4.9@121.1,42.52 121.1,45.175 123.8,47.875 v2(124.475,47.875)
  Bottom Layer w0.254: R37.2@82.28,82.445 82.487,82.238 82.487,81.513 89.15,74.85 109.65,74.85 ; v1(110.2,75.75) 110.2,75.745 109.65,75.195 109.65,74.85 ; v2(124.475,47.875) 125.025,47.875 128.673,51.523 128.673,64.786 v1(122.834,70.625) 118.609,74.85 109.65,74.85
MCU_DIR3: DD4.10 DIR3.1 R40.1 | length 57.8
  Top Layer w0.254: DD4.10@121.6,42.495 121.6,44.75 123.527,46.677 v2(124.506,46.677) ; DIR3.1@146.175,70.805 147.305,70.805 v1(149.2,72.7)
  Bottom Layer w0.254: v2(124.506,46.677) 125.277,46.677 149.233,70.633 149.206,72.7 149.193,73.68 149.124,78.93 R40.1@145.515,82.445
MCU_DIR4: DD4.11 DIR4.1 R41.2 | length 57.9
  Top Layer w0.254: DD4.11@122.1,42.495 122.1,44.265 123.537,45.702 v2(124.506,45.702) ; DIR4.1@146.175,68 v1(148.1,68)
  Bottom Layer w0.254: v2(124.506,45.702) 125.795,45.702 148.092,68 v1(148.1,68) 148.1,68.1 157.525,77.525 R41.2@157.525,82.445
MCU_PWM1: DD4.50 PWM1.1 R34.1 | length 43.8
  Top Layer w0.254: v1(103.1,76.215) 103.1,76.1 105.99,73.21 105.99,70.78 ; PWM1.1@107.58,70.78 PWM1.1@107.39,70.78 105.99,70.78 ; DD4.50@115.1,51.495 DD4.50@115.125,51.495 116.02,51.495 116.3,51.775 116.3,52.5 105.99,62.81 105.99,70.78
  Bottom Layer w0.5: R34.1@94.715,82.445 94.915,82.445 99.002,78.357 100.957,78.357 v1(103.1,76.215)
MCU_PWM2: DD4.55 PWM2.1 R35.1 | length 39.7
  Top Layer w0.254: v1(107.2,76.3) 108.5,75 108.5,68.075 ; PWM2.1@107.517,68.075 108.5,68.075 ; DD4.55@115.1,48.995 DD4.55@115.125,48.995 116.095,48.995 116.754,49.654 116.754,52.866 108.5,61.12 108.5,68.075
  Bottom Layer w0.5: v1(107.2,76.3) 107.2,82.345 R35.1@107.3,82.445
MCU_PWM3: DD4.30 PWM3.1 R38.1 | length 59
  Top Layer w0.254: DD4.30@126.6,50.995 132.374,50.995 134.5,53.12 134.5,53.379 v1(134.721,53.6) ; v1(154.45,73.1) 155.075,73.1 155.15,73.025 PWM3.1@155.15,71.275
  Bottom Layer w0.254: v1(134.721,53.6) 134.909,53.6 v1@154.45,73.141 ; v1(154.45,73.1) v1@154.45,73.141 ; R38.1@168.725,82.445 168.725,80.425 166.043,77.743 159.052,77.743 v1@154.45,73.141
MCU_PWM4: DD4.29 PWM4.1 R39.1 | length 75
  Top Layer w0.254: DD4.29@126.6,50.495 132.945,50.495 135.25,52.8 v1(135.9,52.8) ; PWM4.1@155.078,68 155.078,69.15 156.55,70.622 v1(156.55,72.95)
  Bottom Layer w0.254: v1(135.9,52.8) 135.9,53.4 151.95,69.45 156,73.5 ; v1(156.55,72.95) 156,73.5 ; R39.1@180.675,82.445 180.675,80.65 176.925,76.9 159.4,76.9 156,73.5
MOWER1_M: DA28.1 DA28.2 VD14.A X3.1 | length 18.5
  Top Layer w0.75: DA28.2@190.335,29.3 190.335,30.355 193.455,33.475 194.875,33.475 X3.1@195.8,32.55 193.85,32.55 191.605,30.305 DA28.1@191.605,29.3
  Bottom Layer w0.5: VD14.A@194.15,29.075 194.15,30.7 195.8,32.35 X3.1@195.8,32.55
MOWER2_M: VD12.A VT2.2 X4.1 | length 20.9
  Top Layer w1.5: VT2.2@179.79,51.85 180.04,51.6 194.75,51.6 X4.1@195.8,50.55
  Bottom Layer w0.5: VD12.A@193.875,47.125 193.75,47.25 193.75,48.5 X4.1@195.8,50.55
MOWER3_M: VD13.A VT3.2 X9.1 | length 20.6
  Top Layer w1.5: VT3.2@179.79,67.75 195.25,67.75 X9.1@195.8,68.3
  Bottom Layer w0.5: VD13.A@194.125,64.625 195.8,66.3 X9.1@195.8,68.3
NetBQ1_1: BQ1.1 C47.1 DD4.4 | length 7.1
  Top Layer w0.254: DD4.4@118.6,42.495 118.6,41.351 118.992,40.959 118.992,40.235 C47.1@119.1,40.127 119.1,38.05 BQ1.1@120.825,36.325
NetBQ1_3: BQ1.3 C46.1 DD4.3 | length 7.1
  Top Layer w0.254: BQ1.3@115.825,36.325 116.925,37.425 C46.1@116.925,40.127 116.925,40.227 118.1,41.402 DD4.3@118.1,42.495
NetBQ2_1: BQ2.1 C51.1 DD4.6 | length 6.6
  Top Layer w0.254: DD4.6@119.6,42.495 119.6,43.875 v2(119.775,44.05)
  Bottom Layer w0.254: v2@119.775,43.95 v2(119.775,44.05) 120.05,44.05 121.15,45.15 121.15,45.4 121.825,46.075 BQ2.1@121.825,47.7 BQ2.1@121.825,47.9
NetBQ2_2: BQ2.2 C50.1 DD4.5 | length 6
  Top Layer w0.254: v2(118.6,44.075) 119.1,43.575 DD4.5@119.1,42.495
  Bottom Layer w0.254: v2@118.6,43.975 v2(118.6,44.075) 119,44.475 119,45.35 C50.1@119.2,45.55 ; C50.1@118.975,45.475 BQ2.2@118.975,47.7 BQ2.2@118.975,47.9
NetC2_1: C2.1 C3.1 C5.p C7.1 L1.3 L2.1 | length 36.2
  Top Layer w1.5: C2.1@3.175,22.475 3.5,22.8 C5.p@9.55,22.8
  Bottom Layer w0.5: C3.1@5.725,24.1 5.725,24.937 7.013,26.225 ; C5.p@9.55,22.8 9.55,26.225 ; C7.1@12.2,21.65 12.2,22.775 13.162,23.737 13.175,23.75
  Bottom Layer w1.5: L1.3@2.75,18 2.75,21.75 2.75,24.5 4.475,26.225 7.013,26.225 9.55,26.225 10.675,26.225 13.162,23.737 L2.1@14.75,22.15 ; L2.1@14.6,22.3 L2.1@14.6,22.5
NetC3_2: C3.2 C4.1 C5.n C7.2 C8.n C9.2 C11.1 DA4.2 L1.4 | length 84.2
  Top Layer w1: C4.1@9.55,13.2 9.55,13.5 9.8,13.75 C5.n@9.8,17.5
  Bottom Layer w0.5: L1.4@5.75,18 5.75,20.45 C3.2@5.8,20.5 ; 9.525,15.525 9.55,15.55 C5.n@9.55,17.8 ; 12.2,15.525 C7.2@12.2,18.65 ; DA4.2@16.066,42.28 DA4.2@17.38,42.28 DA4.2@18.72,42.28 ; C9.2@19.8,34.1 19.9,34 22.3,34
  Bottom Layer w1: DA4.2@17.38,42.28 17.825,42.725 C11.1@32.685,42.725 ; C11.1@32.575,42.615 C11.1@32.685,42.725 ; C11.1@32.775,42.95 C11.1@32.775,42.815 ; C11.1@32.685,42.725 C11.1@32.775,42.815 ; C11.1@32.685,42.725 32.775,42.725 C11.1@32.775,42.815
  Bottom Layer w1.5: L1.4@5.75,18 5.75,17.25 7.475,15.525 9.525,15.525 12.2,15.525 22.575,15.525 C8.n@23.8,16.75 27.3,20.25 27.3,26.025 22.3,31.025 22.3,34 22.3,38.7 DA4.2@18.72,42.28
NetC8_p: C8.p C9.1 C10.1 DA4.3 L2.2 | length 36.9
  Top Layer w1: C8.p@23.8,21.75 23.8,23.675 v1@30.162,30.037
  Bottom Layer w0.5: 17.38,31.1 C9.1@19.8,31.1
  Bottom Layer w1: v1(30.175,30.025) 30.325,30.025 31.875,31.575 C10.1@31.875,31.775
  Bottom Layer w1.5: DA4.3@17.38,37.2 17.38,31.1 17.38,30.777 23.8,24.357 23.8,21.775 21.225,21.775 L2.2@21,22
NetC21_1: C21.1 E10.1 L4.1 VREF.2 | length 15.4
  Top Layer w0.5: E10.1@120.725,32.277 130.298,32.277 L4.1@130.55,32.025 129.325,30.8 C21.1@127.65,30.8 127.6,30.75 VREF.2@127.6,28.75
NetC26_p: +3.3V.2 C26.p C28.1 DA8.2 | length 17.1
  Top Layer w0.5: DA8.2@69.75,38.292 70.5,37.542 C28.1@72.9,37.542 ; C26.p@76.7,37.156 C26.p@76.764,37.092
  Top Layer w0.7: C26.p@76.764,37.092 +3.3V.2@80.15,37.092
  Top Layer w1: DA8.2@63.55,38.292 DA8.2@69.75,38.292 ; C28.1@72.9,37.542 74.251,37.542 74.636,37.156 C26.p@76.7,37.156
NetC37_2: C37.2 DA19.6 | length 3.5
  Bottom Layer w0.5: DA19.6@74.365,12.875 74.365,13.71 75.905,15.25 C37.2@76.375,15.25
NetC38_2: C38.2 DA20.6 | length 2.7
  Bottom Layer w0.254: C38.2@111.55,15.475 111.55,14.85 111.865,14.535 DA20.6@111.865,12.875
NetC39_2: C39.2 DA21.6 | length 2.7
  Bottom Layer w0.5: C39.2@144.25,15.5 144.365,15.385 DA21.6@144.365,12.875
NetC40_2: C40.2 DA22.6 | length 2.7
  Bottom Layer w0.5: DA22.6@184.165,12.875 184.165,14.115 184.56,14.51 C40.2@184.56,15.401
NetC61_2: C61.2 DA28.6 | length 3.7
  Top Layer w0.5: DA28.6@189.065,23.9 DA28.6@189.065,23.7 189.065,22.16 190.225,21 C61.2@190.225,20.7
NetDA1_1: DA1.1 R10.1 | length 13.9
  Top Layer w0.5: DA1.1@30.845,18.95 30.7,19.095 30.7,19.6 32.6,21.5 36.875,21.5 37.6,20.775 40.675,20.775 R10.1@42.2,22.3
NetDA1_2: DA1.2 R1.1 R4.1 | length 11.3
  Top Layer w0.5: R4.1@31.635,16.25 31.635,16.66 32.65,17.675 ; DA1.2@32.115,18.95 32.115,17.985 32.425,17.675 32.65,17.675 ; R1.1@39.75,16.5 39.5,16.25 36.936,16.25 35.511,17.675 32.65,17.675
NetDA1_3: DA1.3 R2.2 R5.1 | length 19
  Top Layer w0.5: DA1.3@33.385,18.95 33.385,19.685 34,20.3 36.385,20.3 37.269,19.416 39.75,19.416 R5.1@39.75,19.27 41.275,17.745 41.275,13.525 42.05,12.75 R2.2@45.75,12.75
NetDA1_5: DA1.5 R11.1 R12.2 | length 24.3
  Top Layer w0.5: R12.2@17.38,13.5 22.4,13.5 R11.1@23.1,12.8 ; R11.1@23.5,12.25 R11.1@23.5,12.6 ; R11.1@23.6,12.7 28.8,17.9 28.8,19.9 31.7,22.8 34.2,22.8 34.655,23.255 DA1.5@34.655,24.55
NetDA1_6: DA1.6 DA1.7 K1.1 | length 9.6
  Top Layer w0.254: 33.385,25.385 33.9,25.9 39.979,25.9 40.494,25.385 K1.1@40.5,25.385
  Top Layer w0.5: DA1.7@32.115,24.55 DA1.6@33.385,24.55 33.385,25.385
NetDA2_2: DA2.2 DA3.3 | length 2.4
  Top Layer w0.5: DA2.2@53.06,17.98 DA3.3@55.5,17.98
NetDA2_5: DA2.5 R3.2 | length 3.3
  Bottom Layer w0.5: R3.2@42.425,22.45 42.65,22.675 45.055,22.675 DA2.5@45.44,23.06
NetDA2_6: DA2.6 R5.2 | length 3.3
  Top Layer w0.5: R5.2@42.75,19.27 42.75,19.416 43.854,20.52 DA2.6@45.44,20.52
NetDA2_8: DA2.8 E1.1 | length 12
  Bottom Layer w0.5: E1.1@34.535,12.8 35.085,13.35 43.35,13.35 DA2.8@45.44,15.44
NetDA3_2: DA3.2 R10.2 | length 18.1
  Top Layer w0.5: R10.2@39.75,22.75 41.531,24.531 46.869,24.531 49.625,21.775 54.245,21.775 DA3.2@55.5,20.52
NetDA3_5: DA3.5 R15.1 | length 2.9
  Top Layer w0.5: R15.1@63.1,12.5 63.12,12.52 DA3.5@63.12,15.44
NetDA3_6: DA3.6 R16.1 R17.1 R18.1 | length 23.1
  Top Layer w0.5: DA3.6@63.12,17.98 64.52,17.98 66.675,15.825 R16.1@66.675,14.7 R17.1@71.175,14.7 71.45,14.975 71.45,18.1 76.452,23.102 78.352,23.102 R18.1@78.75,23.5
NetDA5_1: DA5.1 R22.1 R24.1 | length 8.8
  Top Layer w0.5: R22.1@81.75,29.5 81.75,29.3 82.625,28.425 ; 82.9,28.15 82.625,28.425 ; R24.1@84.25,32.25 84.25,30.05 82.625,28.425 ; DA5.1@84.75,27.61 84.579,27.781 83.269,27.781 82.625,28.425
NetDA5_2: DA5.2 R19.2 R22.2 | length 7.3
  Top Layer w0.5: R22.2@78.75,29.5 81.15,27.1 81.4,27.1 R19.2@81.75,26.75 82.06,26.44 84.65,26.44 DA5.2@84.75,26.34
NetDA5_3: DA5.3 R18.2 R20.2 | length 6.8
  Top Layer w0.5: R20.2@81.75,20.52 R18.2@81.75,23.5 81.75,23.7 83.15,25.1 84.72,25.1 DA5.3@84.75,25.07
NetDA5_6: DA5.6 DA5.7 R56.1 | length 6.8
  Top Layer w0.5: DA5.6@90.35,25.07 92.261,25.07 R56.1@92.75,24.581 ; DA5.7@90.35,26.34 92.65,26.34 92.75,26.24 R56.1@92.75,24.581 ; R56.1@92.75,24.5 R56.1@92.75,24.581
NetDA6_5: DA6.5 R94.1 R98.2 | length 6.1
  Top Layer w0.5: R94.1@153.75,23.35 154.031,23.631 155.131,23.631 R98.2@156.3,24.8 ; DA6.5@154.05,25.745 156.725,25.745 R98.2@156.725,25.425
NetDA6_6: DA6.6 R93.1 R97.2 | length 18.2
  Top Layer w0.5: R97.2@145.35,34.6 145.55,34.6 153.135,27.015 DA6.6@154.05,27.015 ; DA6.6@154.05,27.075 157.475,27.075 158.893,28.493 159.011,28.493 159.5,28.981 R93.1@159.5,29.1
NetDA6_7: DA6.7 R86.1 R93.2 | length 8.5
  Top Layer w0.5: DA6.7@154.05,28.285 154.515,28.75 156.269,28.75 156.5,28.981 R93.2@156.5,29.1 156.5,29.344 157.5,30.344 R86.1@157.5,34.35
NetDA7_1: DA7.1 R23.2 R29.2 VREF.1 | length 32.5
  Top Layer w0.5: VREF.1@101.8,32.442 106.108,32.442 106.875,31.675 R29.2@106.875,29.675 ; R23.2@104.825,29.425 105.075,29.675 R29.2@106.875,29.675 ; VREF.1@127.6,28.05 127.6,27.7 127.031,27.131 DA7.1@113.3,27.131 113.3,28.2 111.825,29.675 R29.2@106.875,29.675
NetDA7_2: DA7.2 R25.2 R26.1 R27.2 | length 12.2
  Top Layer w0.5: DA7.2@111.4,27.131 112.731,25.8 115.4,25.8 R26.1@115.8,25.4 117.275,23.925 117.275,22.9 R25.2@117.55,22.625 R27.2@113.95,22.625
NetDA9_2: DA9.2 R34.2 | length 2.5
  Bottom Layer w0.5: DA9.2@92.38,85.75 92.685,85.445 R34.2@94.715,85.445
NetDA9_6: DA9.6 DD1.1 DD1.2 R42.1 | length 17.4
  Top Layer w0.5: DA9.6@100,83.21 102.75,85.96 102.75,90 103.925,91.175 104,91.175 ; DD1.1@104.15,93.2 DD1.1@104.15,92.85 104.15,92.65 104,92.5 104,91.175 ; DD1.2@105.42,93.2 DD1.2@105.42,92.85 105.42,91.92 104.675,91.175 104,91.175
  Bottom Layer w0.5: R42.1@97.715,82.445 99.235,82.445 DA9.6@100,83.21
NetDA10_2: DA10.2 R35.2 | length 2.4
  Bottom Layer w0.5: DA10.2@105,85.75 105.23,85.75 105.535,85.445 R35.2@107.3,85.445
NetDA10_6: DA10.6 DD1.4 DD1.5 R43.1 | length 16.9
  Top Layer w0.5: DD1.4@107.96,93.2 DD1.4@107.96,92.85 107.96,91.79 108.5,91.25 109.23,91.25 ; DD1.5@109.23,93.2 DD1.5@109.23,92.85 109.23,91.25 ; DA10.6@112.62,83.21 109.23,86.6 109.23,91.25
  Bottom Layer w0.5: R43.1@110.3,82.5 111.91,82.5 DA10.6@112.62,83.21
NetDA11_2: DA11.2 R36.2 | length 2.6
  Bottom Layer w0.5: DA11.2@67.38,85.75 67.685,85.445 R36.2@69.815,85.445
NetDA11_6: DA11.6 DD1.9 DD1.10 R44.1 | length 53.2
  Top Layer w0.5: v1@109.125,100.885 v1@109.25,100.77 ; DD1.10@109.25,98.45 v1@109.25,100.77 ; DD1.9@110.5,98.45 110.5,100.5 110,101 v1(109.23,101) v1@109.25,100.77
  Bottom Layer w0.5: R44.1@72.615,82.445 74.235,82.445 DA11.6@75,83.21 77.25,85.46 77.25,90 79,91.75 96.25,91.75 105.5,101 v1(109.23,101)
NetDA12_2: DA12.2 R37.1 | length 2.5
  Bottom Layer w0.5: DA12.2@79.88,85.75 80.11,85.75 80.415,85.445 R37.1@82.28,85.445
NetDA12_6: DA12.6 DD1.12 DD1.13 R45.1 | length 33.8
  Top Layer w0.5: DD1.13@105.42,98.45 105.42,99.42 v1(106,100) 106.69,99.31 DD1.12@106.69,98.45
  Bottom Layer w0.5: R45.1@85.06,82.445 86.71,82.445 87.475,83.21 DA12.6@87.5,83.21 90,85.71 90,89 91.75,90.75 96.75,90.75 v1(106,100)
NetDA13_2: DA13.2 R38.2 | length 2.4
  Bottom Layer w0.5: DA13.2@166.425,85.75 166.578,85.597 168.572,85.597 R38.2@168.725,85.445
NetDA13_6: DA13.6 DD2.1 DD2.2 R46.1 | length 16.5
  Top Layer w0.5: DA13.6@174.045,83.21 176,85.165 176,89.4 177.99,91.39 ; DD2.1@177.99,92.85 177.99,91.39 ; DD2.2@179.26,92.85 179.26,91.65 179,91.39 177.99,91.39
  Bottom Layer w0.5: R46.1@171.735,82.445 173.28,82.445 DA13.6@174.045,83.21
NetDA14_2: DA14.2 R39.2 | length 2.6
  Bottom Layer w0.5: DA14.2@178.245,85.75 178.475,85.75 178.78,85.445 R39.2@180.675,85.445
NetDA14_6: DA14.6 DD2.4 DD2.5 R47.1 | length 16.3
  Top Layer w0.5: DD2.4@181.8,92.85 181.8,91.493 182.093,91.2 183.07,91.2 ; DD2.5@183.07,92.85 183.07,91.2 ; DA14.6@185.865,83.21 183.07,86.005 183.07,91.2
  Bottom Layer w0.5: R47.1@183.4,82.5 185.05,82.5 185.76,83.21 DA14.6@185.865,83.21
NetDA15_2: DA15.2 R40.2 | length 2.4
  Bottom Layer w0.5: DA15.2@143.215,85.75 143.367,85.597 145.362,85.597 R40.2@145.515,85.445
NetDA15_6: DA15.6 DD2.9 DD2.10 R48.1 | length 51.1
  Top Layer w0.5: DD2.10@183.065,98.45 183.065,100.465 v1(183.6,101) 184.34,100.26 DD2.9@184.34,98.45
  Bottom Layer w0.5: R48.1@148.35,82.445 149.115,83.21 DA15.6@150.835,83.21 153.1,85.475 153.1,88.8 157.475,93.175 167.75,93.175 176.25,101.675 182.925,101.675 v1(183.6,101)
NetDA16_2: DA16.2 R41.1 | length 2.9
  Bottom Layer w0.5: DA16.2@155.188,85.587 DA16.2@155.025,85.75 157.22,85.75 R41.1@157.525,85.445
NetDA16_6: DA16.6 DD2.12 DD2.13 R49.1 | length 33.9
  Top Layer w0.5: DD2.13@179.26,98.45 v1(179.26,100.1) 179.987,100.1 180.48,99.607 180.48,98.5 DD2.12@180.53,98.45
  Bottom Layer w0.5: R49.1@160.475,82.445 160.729,82.445 161.332,83.047 162.482,83.047 DA16.6@162.645,83.21 164.7,85.265 164.7,90.325 166.275,91.9 168.023,91.9 176.873,100.75 178.61,100.75 v1(179.26,100.1)
NetDA19_7: DA19.7 R61.1 | length 9
  Top Layer w0.5: v3(76.5,10) 76.557,10.057 82.193,10.057 R61.1@82.25,10.115
  Bottom Layer w0.254: DA19.7@75.635,12.875 75.635,10.865 v3(76.5,10)
NetDA20_7: DA20.7 R63.1 | length 15.3
  Top Layer w0.5: R63.1@101.58,4.25 101.605,4.225 104.3,4.225 v3(104.325,4.2)
  Bottom Layer w0.5: v3(104.325,4.2) 105.025,4.2 113.129,12.304 DA20.7@113.129,12.679
NetDA21_7: DA21.7 R65.1 | length 9.5
  Top Layer w0.5: v1(151.3,10.1) 151.315,10.115 R65.1@153.25,10.115
  Bottom Layer w0.5: DA21.7@145.635,12.875 145.635,11.625 147.16,10.1 v1(151.3,10.1)
NetDA22_7: DA22.7 R58.1 | length 16.9
  Top Layer w0.5: R58.1@173.08,4.25 175.85,4.25 v3(180.5,8.9)
  Bottom Layer w0.5: v3(180.5,8.9) 183.135,8.9 185.435,11.2 DA22.7@185.435,12.875